# Altium PCB MEA_CLDP.PcbDoc (part 1 of 3) (continued)
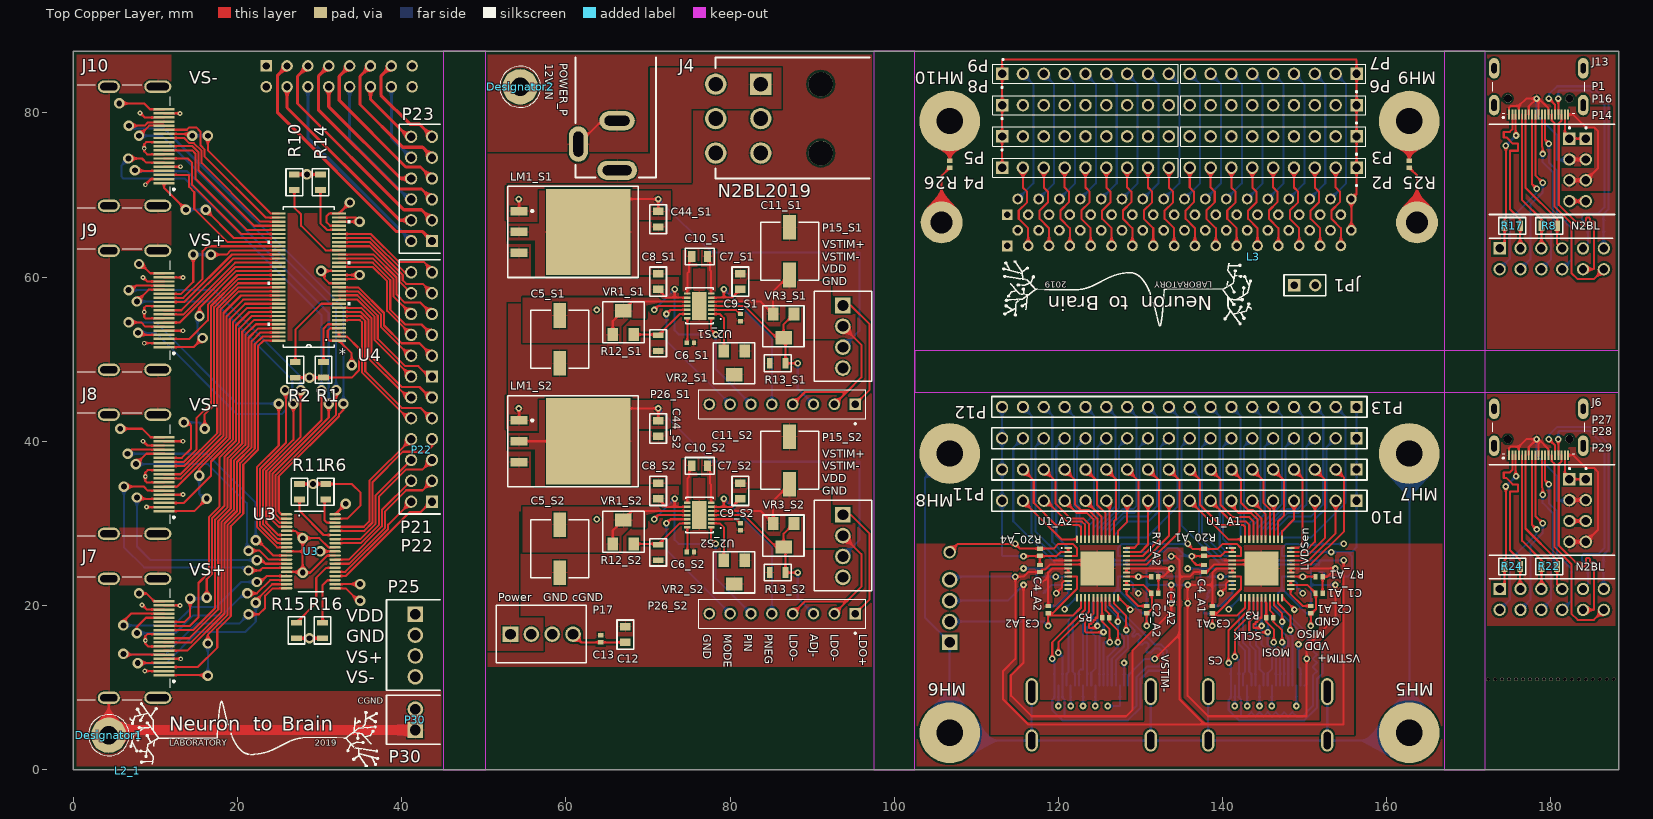
[diagram p0: Top Copper Layer view]
## Components (designator, comment, footprint, x,y, rotation, side; value= is the part's Value field where it differs from the comment) (continued)
POWER_P "PWR2.1MM" POWER2.1MM 66.25,73.003 r90 top
R1 "0" R0805 30.48,49.657 r270 top
R2 "0" R0805 27.051,49.652 r270 top
R3 "100R" rcl_0402i_1005m_most 145.75,18.5 r0 top
R4 "100R" R0805 186.4,66.25 r180 bottom
R5 "100R" rcl_0402i_1005m_most 125.75,18.5 r0 top
R6 "0" R0805 30.734,32.898 r90 top
R7_A1 "0R" rcl_0402i_1005m_most 151.75,23.5 r0 top (schematic designator R7)
R7_A2 "0R" rcl_0402i_1005m_most 131.75,23.5 r0 top (schematic designator R7)
R7_A3 "0R" rcl_0402i_1005m_most 137.75,23.5 r180 bottom (schematic designator R7)
R7_A4 "0R" rcl_0402i_1005m_most 117.75,23.5 r180 bottom (schematic designator R7)
R8 "100R" R0805 180.75,66.25 r180 top
R9 "100R" rcl_0402i_1005m_most 143.75,18.5 r180 bottom
R10 "0" R0805 26.924,70.612 r90 top
R11 "0" R0805 27.559,32.898 r90 top
R12_S1 "100KR" R0805 71.25,51.003 r90 top (schematic designator R12)
R12_S2 "100KR" R0805 71.25,25.503 r90 top (schematic designator R12)
R13_S1 "100KR" R0805 86.75,49.503 r180 top (schematic designator R13)
R13_S2 "100KR" R0805 86.75,24.003 r180 top (schematic designator R13)
R14 "0" R0805 30.099,70.612 r90 top
R15 "0" R0805 27.178,17.902 r270 top
R16 "0" R0805 30.353,17.902 r270 top
R17 "100R" R0805 176.25,66.25 r180 top
R18 "100R" R0805 182.25,66.25 r180 bottom
R19 "100R" rcl_0402i_1005m_most 123.75,18.5 r180 bottom
R20_A1 "0R" rcl_0402i_1005m_most 137.75,26.5 r270 top (schematic designator R20)
R20_A2 "0R" rcl_0402i_1005m_most 131.75,27 r270 bottom (schematic designator R20)
R20_A3 "0R" rcl_0402i_1005m_most 151.75,26.93 r270 bottom (schematic designator R20)
R20_A4 "0R" rcl_0402i_1005m_most 117.75,26.5 r270 top (schematic designator R20)
R21 "100R" R0805 186.4,24.75 r180 bottom
R22 "100R" R0805 180.75,24.75 r180 top
R23 "100R" R0805 182.3,24.75 r180 bottom
R24 "100R" R0805 176.25,24.75 r180 top
R25 "0R" rcl_0402i_1005m_most 162.75,73.753 r270 top
R26 "0R" rcl_0402i_1005m_most 106.75,73.753 r270 top
U1_A1 "Intan Technologies RHS2116 chip" QFN44_7_X_7 144.75,24.5 r0 top (schematic designator U1)
U1_A2 "Intan Technologies RHS2116 chip" QFN44_7_X_7 124.75,24.5 r0 top (schematic designator U1)
U1_A3 "Intan Technologies RHS2116 chip" QFN44_7_X_7 144.75,24.5 r180 bottom (schematic designator U1)
U1_A4 "Intan Technologies RHS2116 chip" QFN44_7_X_7 124.75,24.5 r180 bottom (schematic designator U1)
U2_S1 "Part Number: ltc3260ide" DFN-14_DE 76.25,56.503 r180 top value=Value (schematic designator U2)
U2_S2 "Part Number: ltc3260ide" DFN-14_DE 76.25,31.003 r180 top value=Value (schematic designator U2)
U3 "SN65LVDT388ADBT" DBT0038A_N 28.927,26.583 r0 top value=Value
U4 "Part Number: sn75lvds387_dgg_64" DGG64 28.689,60.004 r180 top locked value=Value
VR1_S1 "Tunable 1M Max" res_var_5turn 65.71,53.003 r0 top (schematic designator VR1)
VR1_S2 "Tunable 1M Max" res_var_5turn 65.71,27.503 r0 top (schematic designator VR1)
VR2_S1 "Tunable 1M Max" res_var_5turn 81.79,51.003 r180 top (schematic designator VR2)
VR2_S2 "Tunable 1M Max" res_var_5turn 81.79,25.503 r180 top (schematic designator VR2)
VR3_S1 "Tunable 1M Max" res_var_5turn 87.79,55.503 r180 top (schematic designator VR3)
VR3_S2 "Tunable 1M Max" res_var_5turn 87.79,30.003 r180 top (schematic designator VR3)

## Footprints (in the part's own frame and the unit in brackets; to place one, negate y for a bottom-side part, rotate by r counter-clockwise, add the part's x,y. Pads: shape width x height; smd on the part's side, far side on the other; paste and mask are expansions set on the pad)
0010897120 [mm] "CONN HEADER VERT 12POS 2.54MM"
  rect 1.5x1.5 hole 1.02: 1(0,0)
  round 1.5 hole 1.02: 2(0,2.54) 3(2.54,0) 4(2.54,2.54) 5(5.08,0) 6(5.08,2.54) 7(7.62,0) 8(7.62,2.54) 9(10.16,0) 10(10.16,2.54) 11(12.7,0) 12(12.7,2.54)
  silkscreen extent -1.5,-1.02 14.25,4, body extent -1.25,-1.25 13.99,3.83, height 8.74
0039301060 [mm]
  rect 2.6x2.6 hole 1.8: 1(0,0)
  round 2.6 hole 1.8: 2(-4.2,0) 3(-8.4,0) 4(0,5.5) 5(-4.2,5.5) 6(-8.4,5.5)
  round 3 hole 3 unplated: M1(0,-7.3) M2(-8.4,-7.3)
  silkscreen extent -11.5,-13.25 3.25,5.5, body extent -11.1,-13.83 3.1,6.1, height 12.4
*CNC_2001-1-2-21-00-BK_2001-1-2-21-00-BK(Primary) [mm]
  rect 0.23x1.2 smd: 1(3.6,1.15) 2(3.2,1.15) 3(2.8,1.15) 4(2.4,1.15) 5(2,1.15) 6(1.6,1.15) 7(1.2,1.15) 8(0.8,1.15) 9(0.4,1.15) 10(0,1.15) 11(-0.4,1.15) 12(-0.8,1.15) 13(-1.2,1.15) 14(-1.6,1.15) 15(-2,1.15) 16(-2.4,1.15) 17(-2.8,1.15) 18(-3.2,1.15) 19(-3.6,1.15)
  round 1 hole 1 unplated: None(-3.75,-0.8) None(3.75,-0.8)
  oval 1.25x2.5 hole 0.65 slot 1.4 at 90 deg: S1(-5.43,0) S2(5.42,0)
  oval 1.25x2.5 hole 0.65 slot 1.2 at 90 deg: S3(-5.43,-4.5) S4(5.42,-4.5)
  silkscreen extent -5.6,-2.8 5.6,1.6
C0805 [mm]
  rect 0.9x1.3 smd: 1(0,0) 2(1.9,0)
  silkscreen extent -0.83,-1.02 2.73,1.02, body extent -0.05,-0.6 1.95,0.6, height 1.46
CAP_EEFK_D [mil] "CAP ALUM 100UF 20% 35V SMD"
  rect 118x62 smd paste+0 mask+0: 1(-114.5,0) 2(114.5,0)
  silkscreen extent -139,-139 139,139, body extent -154,-134 154,134, height 242
CONN_2-5174339-5_2-5174339-5(Primary) [mm] "68 Position D-Type Cap, Male Pins Connector"
  round 1.308 hole 0.8: 1(20.955,0.953) 2(19.685,2.857) 3(18.415,0.953) 4(17.145,2.857) 5(15.875,0.953) 6(14.605,2.857) 7(13.335,0.953) 8(12.065,2.857) 9(10.795,0.953) 10(9.525,2.857) 11(8.255,0.953) 12(6.985,2.857) 13(5.715,0.953) 14(4.445,2.857) 15(3.175,0.953) 16(1.905,2.857) 17(0.635,0.953) 18(-0.635,2.857) 19(-1.905,0.953) 20(-3.175,2.857) 21(-4.445,0.953) 22(-5.715,2.857) 23(-6.985,0.953) 24(-8.255,2.857) 25(-9.525,0.953) 26(-10.795,2.857) 27(-12.065,0.953) 28(-13.335,2.857) 29(-14.605,0.953) 30(-15.875,2.857) 31(-17.145,0.953) 32(-18.415,2.857) 33(-19.685,0.953) 35(20.955,-2.857) 36(19.685,-0.953) 37(18.415,-2.857) 38(17.145,-0.953) 39(15.875,-2.857) 40(14.605,-0.953) 41(13.335,-2.857) 42(12.065,-0.953) 43(10.795,-2.857) 44(9.525,-0.953) 45(8.255,-2.857) 46(6.985,-0.953) 47(5.715,-2.857) 48(4.445,-0.953) 49(3.175,-2.857) 50(1.905,-0.953) 51(0.635,-2.857) 52(-0.635,-0.953) 53(-1.905,-2.857) 54(-3.175,-0.953) 55(-4.445,-2.857) 56(-5.715,-0.953) 57(-6.985,-2.857) 58(-8.255,-0.953) 59(-9.525,-2.857) 60(-10.795,-0.953) 61(-12.065,-2.857) 62(-13.335,-0.953) 63(-14.605,-2.857) 64(-15.875,-0.953) 65(-17.145,-2.857) 66(-18.415,-0.953) 67(-19.685,-2.857)
  rect 1.308x1.308 hole 0.8: 34(-20.955,2.857) 68(-20.955,-0.953)
  round 5.1 hole 2.7: 69(28.955,0) 70(-28.955,0)
  silkscreen extent -31.95,-5.15 31.95,5.85, body extent -31.96,-5.15 31.95,5.15, height 9.3
DBT0038A_N [mm]
  oval 1.4x0.3 smd paste+0 mask+0: 1(-2.95,4.5) 2(-2.95,4) 3(-2.95,3.5) 4(-2.95,3) 5(-2.95,2.5) 6(-2.95,2) 7(-2.95,1.5) 8(-2.95,1) 9(-2.95,0.5) 10(-2.95,0) 11(-2.95,-0.5) 12(-2.95,-1) 13(-2.95,-1.5) 14(-2.95,-2) 15(-2.95,-2.5) 16(-2.95,-3) 17(-2.95,-3.5) 18(-2.95,-4) 19(-2.95,-4.5) 20(2.95,-4.5) 21(2.95,-4) 22(2.95,-3.5) 23(2.95,-3) 24(2.95,-2.5) 25(2.95,-2) 26(2.95,-1.5) 27(2.95,-1) 28(2.95,-0.5) 29(2.95,0) 30(2.95,0.5) 31(2.95,1) 32(2.95,1.5) 33(2.95,2) 34(2.95,2.5) 35(2.95,3) 36(2.95,3.5) 37(2.95,4) 38(2.95,4.5)
  silkscreen extent -1.93,-4.9 1.5,4.9, body extent -3.2,-4.85 3.2,4.85, height 1.13
DFN-14_DE [mm]
  rect 0.805x0.3 smd: 1(-1.452,1.5) 2(-1.452,1) 3(-1.452,0.5) 4(-1.452,0) 5(-1.452,-0.5) 6(-1.452,-1) 7(-1.452,-1.5) 8(1.452,-1.5) 9(1.452,-1) 10(1.452,-0.5) 11(1.452,0) 12(1.452,0.5) 13(1.452,1) 14(1.452,1.5)
  rect 1.8x3.4 smd paste-1.687: 15(0,0)
  silkscreen extent -1.68,-2.18 1.68,2.18, body extent 0,0 0.25,0.25, height 0.25
DGG64 [mil]
  rect 66x11 smd: 1(-144.5,305.12) 2(-144.5,285.43) 3(-144.5,265.75) 4(-144.5,246.06) 5(-144.5,226.38) 6(-144.5,206.69) 7(-144.5,187.01) 8(-144.5,167.32) 9(-144.5,147.64) 10(-144.5,127.95) 11(-144.5,108.27) 12(-144.5,88.58) 13(-144.5,68.9) 14(-144.5,49.21) 15(-144.5,29.53) 16(-144.5,9.84) 17(-144.5,-9.84) 18(-144.5,-29.53) 19(-144.5,-49.21) 20(-144.5,-68.9) 21(-144.5,-88.58) 22(-144.5,-108.27) 23(-144.5,-127.95) 24(-144.5,-147.64) 25(-144.5,-167.32) 26(-144.5,-187.01) 27(-144.5,-206.69) 28(-144.5,-226.38) 29(-144.5,-246.06) 30(-144.5,-265.75) 31(-144.5,-285.43) 32(-144.5,-305.12) 33(144.5,-305.12) 34(144.5,-285.43) 35(144.5,-265.75) 36(144.5,-246.06) 37(144.5,-226.38) 38(144.5,-206.69) 39(144.5,-187.01) 40(144.5,-167.32) 41(144.5,-147.64) 42(144.5,-127.95) 43(144.5,-108.27) 44(144.5,-88.58) 45(144.5,-68.9) 46(144.5,-49.21) 47(144.5,-29.53) 48(144.5,-9.84) 49(144.5,9.84) 50(144.5,29.53) 51(144.5,49.21) 52(144.5,68.9) 53(144.5,88.58) 54(144.5,108.27) 55(144.5,127.95) 56(144.5,147.64) 57(144.5,167.32) 58(144.5,187.01) 59(144.5,206.69) 60(144.5,226.38) 61(144.5,246.06) 62(144.5,265.75) 63(144.5,285.43) 64(144.5,305.12)
  silkscreen extent -198,-336 198,337, body extent -164,-336 164,337, height 47
HDR1X2 [mm] "Connector; Header; 2 Position"
  rect 1.5x1.5 hole 0.9: 1(0,0)
  round 1.5 hole 0.9: 2(2.54,0)
  silkscreen extent -1.27,-1.27 3.81,1.27
LM1085 [mm] "D2-PAK; 3 Leads; Body 14.4 (inc. leads) x 10.4 mm (LxW max)"
  rect 1.05x2.1 smd: 1(0,0) 2(2.54,0) 3(5.08,0)
  rect 10.5x10.3 smd: 2(2.54,8.45)
  silkscreen extent -3.01,-1.4 8.09,14.5, body extent -2.54,-0.87 7.62,14.37, height 4.54
"M2X0.4 Plated Loose Fit" [mm] "Loose fit, plated land pattern for metric M2 (2mm radius) screw by 0.4mm length screw"
  round 4.3 hole 2.3: 1(0,0)
  silkscreen extent -2.5,-2.5 2.5,2.5
MH_7.4MMD_3.2MMD [mm]
  round 7.4 hole 3.2: 1(0,0)
N2BL_LOGO [mm] "Example template footprint"
  silkscreen extent 0.2,0.49 30.61,8.52
OSTVN02A150 [mm] "2 Position Wire to Board Terminal Block Horizontal with Board 0.100\" (2.54mm) Through Hole"
  rect 1.9x1.9 hole 1.3: 1(0,0)
  round 1.9 hole 1.3: 2(2.54,0)
  silkscreen extent -1.75,-3.05 4.25,3.5
OSTVN04A150 [mm] "4 Position Wire to Board Terminal Block Horizontal with Board 0.100\" (2.54mm) Through Hole"
  rect 1.9x1.9 hole 1.3: 1(0,0)
  round 1.9 hole 1.3: 2(2.54,0) 3(5.08,0) 4(7.62,0)
  silkscreen extent -1.75,-3.5 9.25,3.5, body extent -1.47,-3.25 9.09,3.25, height 8.65
PEC04SBAN [mm] "CONN HEADER R/A 4POS 2.54MM"
  rect 1.5x1.5 hole 1.02: 1(0,0)
  round 1.5 hole 1.02: 2(2.54,0) 3(5.08,0) 4(7.62,0)
  silkscreen extent -1.75,-1.25 9.25,3.5, body extent -1.27,-0.38 8.89,9.84, height 3.56
POWER2.1MM [mil]
  oval 92x190 hole 47 slot 138 at 90 deg: 1(0,0)
  oval 170x92 hole 47 slot 120 at 0 deg: 2(126,186.17)
  oval 92x170 hole 47 slot 120 at 90 deg: 3(238.19,0.55)
  silkscreen extent -33,-186 542,200, body extent -25,-178 542,192, height 434
PPPC062LJBN-RC [mm] "CONN HDR 12POS 0.1 GOLD PCB R/A"
  rect 1.5x1.5 hole 1.02: 1(0,0)
  round 1.5 hole 1.02: 2(2.54,0) 3(5.08,0) 4(7.62,0) 5(10.16,0) 6(12.7,0) 7(0,-2.54) 8(2.54,-2.54) 9(5.08,-2.54) 10(7.62,-2.54) 11(10.16,-2.54) 12(12.7,-2.54)
  silkscreen extent -1.25,1.25 13.75,1.25, body extent -1.5,-12.59 14.24,0.25, height 5.08
PPPC181LFBN-RC [mm] "CONN HDR 18POS 0.1 GOLD PCB"
  rect 1.5x1.5 hole 1.02: 1(0,0)
  round 1.5 hole 1.02: 2(2.54,0) 3(5.08,0) 4(7.62,0) 5(10.16,0) 6(12.7,0) 7(15.24,0) 8(17.78,0) 9(20.32,0) 10(22.86,0) 11(25.4,0) 12(27.94,0) 13(30.48,0) 14(33.02,0) 15(35.56,0) 16(38.1,0) 17(40.64,0) 18(43.18,0)
  silkscreen extent -1.27,-1.27 44.45,1.27, body extent -1.5,-1.27 44.72,1.27, height 8.5
PPTC041LGBN-RC [mm] "CONN HDR 4POS 0.1 TIN PCB R/A"
  rect 1.5x1.5 hole 1.02: 1(0,0)
  round 1.5 hole 1.02: 2(2.54,0) 3(5.08,0) 4(7.62,0)
  silkscreen extent -1.75,-9.75 9.25,1.27, body extent -1.56,-10.1 9.1,0.2, height 2.54
QFN44_7_X_7 [mm]
  rect 0.9x0.25 smd: 1(-3.55,2.5) 2(-3.55,2) 3(-3.55,1.5) 4(-3.55,1) 5(-3.55,0.5) 6(-3.55,0) 7(-3.55,-0.5) 8(-3.55,-1) 9(-3.55,-1.5) 10(-3.55,-2) 11(-3.55,-2.5) 23(3.55,-2.5) 24(3.55,-2) 25(3.55,-1.5) 26(3.55,-1) 27(3.55,-0.5) 28(3.55,0) 29(3.55,0.5) 30(3.55,1) 31(3.55,1.5) 32(3.55,2) 33(3.55,2.5)
  rect 0.25x0.9 smd: 12(-2.5,-3.55) 13(-2,-3.55) 14(-1.5,-3.55) 15(-1,-3.55) 16(-0.5,-3.55) 17(0,-3.55) 18(0.5,-3.55) 19(1,-3.55) 20(1.5,-3.55) 21(2,-3.55) 22(2.5,-3.55) 34(2.5,3.55) 35(2,3.55) 36(1.5,3.55) 37(1,3.55) 38(0.5,3.55) 39(0,3.55) 40(-0.5,3.55) 41(-1,3.55) 42(-1.5,3.55) 43(-2,3.55) 44(-2.5,3.55)
  rect 4.1x4.1 smd: CENTER(0,0)
R0805 [mm]
  rect 0.7x1.3 smd: 1(0,0) 2(1.9,0)
  silkscreen extent -0.7,-1.02 2.6,1.02, body extent -0.05,-0.6 1.95,0.6, height 0.71
rcl_0402i_1005m_most [mm] "Chip RCL, 0402 Imperial, 1005 Metric, 2-Leads, Body 1.00x0.5mm, IPC Most Land (Low Density)"
  rect 0.54x0.7 smd: 1(-0.43,0) 2(0.43,0)
  body extent -0.5,-0.25 0.5,0.25, height 0.5
rcl_0402i_1005m_nominal [mm] "Chip RCL, 0402 Imperial, 1005 Metric, 2-Leads, Body 1.00x0.5mm, IPC Nominal Medium Density"
  rect 0.54x0.6 smd: 1(-0.43,0) 2(0.43,0)
  body extent -0.5,-0.25 0.5,0.25, height 0.5
res_var_5turn [mm]
  rect 1.3x1.6 smd: 1(0,0) 3(2.54,0)
  rect 2x1.6 smd: 2(1.27,2.9)
  silkscreen extent -1.21,-1.02 3.82,3.99, body extent -1.1,-0.52 3.7,3.38, height 5.31
TE_3-644456-9 [mil] "Connector Header Through Hole 9 position 0.100\" (2.54mm)"
  rect 60x60 hole 40: 1(-400,0)
  round 60 hole 40: 2(-300,0) 3(-200,0) 4(-100,0) 5(0,0) 6(100,0) 7(200,0) 8(300,0) 9(400,0)
  silkscreen extent -444,-46 444,89, body extent -444,-46 444,46, height 395
TE_5-535541-6 [mil] "CONN RCPT 8POS 0.1 GOLD PCB"
  rect 54.65x54.65 hole 35: 1(-350,0)
  round 54.65 hole 35: 2(-250,0) 3(-150,0) 4(-50,0) 5(50,0) 6(150,0) 7(250,0) 8(350,0)
  silkscreen extent -400,-70 400,98, body extent -400,-70 400,70, height 275
TE_534998-8 [mm] "CONN RCPT 16POS 0.1 GOLD PCB"
  rect 1.398x1.398 hole 0.89: 1(-8.89,-1.27)
  round 1.398 hole 0.89: 2(-8.89,1.27) 3(-6.35,-1.27) 4(-6.35,1.27) 5(-3.81,-1.27) 6(-3.81,1.27) 7(-1.27,-1.27) 8(-1.27,1.27) 9(1.27,-1.27) 10(1.27,1.27) 11(3.81,-1.27) 12(3.81,1.27) 13(6.35,-1.27) 14(6.35,1.27) 15(8.89,-1.27) 16(8.89,1.27)
  silkscreen extent -10.89,-2.51 10.16,2.51, body extent -10.16,-2.51 10.16,2.51, height 6.22
TE_1747981-2_1747981-2(Primary) [mm]
  rect 0.3x2.6 smd: 1(4.5,0.76) 2(4,0.76) 3(3.5,0.76) 4(3,0.76) 5(2.5,0.76) 6(2,0.76) 7(1.5,0.76) 8(1,0.76) 9(0.5,0.76) 10(0,0.76) 11(-0.5,0.76) 12(-1,0.76) 13(-1.5,0.76) 14(-2,0.76) 15(-2.5,0.76) 16(-3,0.76) 17(-3.5,0.76) 18(-4,0.76) 19(-4.5,0.76)
  oval 1.5x3.3 hole 0.9 slot 2.7 at 90 deg: SH1(-7.25,0) SH2(7.25,0)
  oval 1.5x2.7 hole 0.9 slot 2.1 at 90 deg: SH3(-7.25,-5.96) SH4(7.25,-5.96)
  silkscreen extent -7.5,-9 7.5,2.07, body extent -7.5,-10 7.5,2, height 6.28

## Part data
C1_A1 C1_A2 C1_A3 C1_A4 C3_A1 C3_A2 C3_A3 C3_A4 C4_A1 C4_A2 C4_A3 C4_A4 C13: "Capacitor Non-polarized American Symbol", Manufacturer=Yageo, Manuracturer Part Number=CC0402KRX7R8BB104, Package=0402, Supplier Part Number 1=311-2077-1-ND, Voltage Rating=25V, ComponentLink1Description=Datasheet, ComponentLink1URL=http://www.yageo.com/documents/recent/UPY-GPHC_X7R_6.3V-to-50V_18.pdf, Priging 1="1 	0.15000 	$0.15 (CAD)", Stock 1=143,749, Supplier 1=Digikey, Supplier Description 1="CAP CER 0.1UF 25V X7R 0402", Supplier Link 1=https://www.digikey.ca/product-detail/en/yageo/CC0402KRX7R8BB104/311-2077-1-ND/5698948
C2_A1 C2_A2 C2_A3 C2_A4: "Capacitor Non-polarized American Symbol", Case Code=0402, Manufacturer="Murata Electronics North America", Manufacturer Part Number=GRM155R71H103KA88D, Tolerance=10%, Voltage Rating=25V, ComponentLink1Description="Reference Sheet", ComponentLink1URL=https://www.murata.com/~/media/webrenewal/support/library/catalog/products/capacitor/mlcc/c02e.ashx?la=en-us, Pricing 1=Free, Stock 1=8970712, Supplier 1=7PCB/Bittele, Supplier Description 1="CAP CER 0.01uF ±10% 50V X7R 0402", Supplier Link 1=https://parts.7pcb.com/, Supplier Part Number 1=GRM155R71H103KA88D
C5_S1 C5_S2 C11_S1 C11_S2: library part C2012X5R1E106K085AC, "CAP 100UF - UPDATE", Dielectric="Electrolytic Capacitor", Dielectric Material=N/A, ESR (Equivalent Series Resistance)="260mOhm @ 100kHz", Manufacturer="Panasonic Electronic Components", Manufacturer Part Number=EEE-FT1V101AP, Max Operating Temperature=105°C, Min Operating Temperature=-55°C, Package Type="Radial Can, SMT", Ripple Current @ High Frequency="300mA @ 100kHz", Ripple Current @ Low Frequency="195mA @ 120Hz", Supplier Part Number 1=PCE5016CT-ND, Tolerance=20%, Voltage Rating=35V, Capacitance=100uF, ComponentLink1Description=Datasheet, ComponentLink1URL=https://industrial.panasonic.com/cdbs/www-data/pdf/RDE0000/ABA0000C1240.pdf, ComponentLink2Description=NamingScheme, ComponentLink2URL=https://industrial.panasonic.com/cdbs/www-data/pdf/RDE0000/DME0000COL90.pdf, Diam.=6.3mm, Height=6.1mm, Length=6.6mm, Mount="Surface Mount", Packaging="Cut Tape (CT)", Polarization=Polarized, Pricing 1="1=0.86;  10=0.605;  100=0.3984  (CAD)", Stock 1=336,289, Supplier 1=Digi-Key, Supplier Link 1=https://www.digikey.ca/product-detail/en/panasonic-electronic-components/EEE-FT1V101AP/PCE5016CT-ND/2652071, Termination=SMD/SMT, Voltage Rating (DC)=35V, Width=6.6mm
C6_S1 C6_S2 C9_S1 C9_S2: "Capacitor Non-polarized American Symbol", Case Code=0402, Manufacturer="Murata Electronics North America", Manufacturer Part Number=GRM155R71E103KA01D, Supplier Part Number 1=490-1312-1-ND, Tolerance=10%, Voltage Rating=25V, ComponentLink1Description="Reference Sheet", ComponentLink1URL=https://search.murata.co.jp/Ceramy/image/img/A01X/G101/ENG/GRM155R71E103KA01-01.pdf, Pricing 1="1=0.14;  10=0.042;  100=0.0188;  500=0.01346;  1000=0.01058;  3500=0.00961;  5000=0.00884  (CAD)", Stock 1=4961, Supplier 1=Digikey, Supplier Link 1=https://www.digikey.ca/products/en?keywords=490-1312-1-ND
C7_S1 C7_S2 C8_S1 C8_S2 C12: library part C2012X5R1E106K085AC, "CAP 10UF", Case/Package=0805, Case Code (Metric)=2012, Dielectric=X5R, Dielectric Material=Ceramic, Manufacturer="Samsung Electro-Mechanics", Manufacturer Part Number=CL21A106KAYNNNE, Max Operating Temperature=85°C, Min Operating Temperature=-55°C, Supplier Part Number 1=1276-2891-1-ND, Tolerance=10%, Voltage Rating=25V, Capacitance=10uF, Case Code (Imperial)=0805, ComponentLink1Description=Specifications, ComponentLink1URL=http://www.samsungsem.com/kr/support/product-search/mlcc/__icsFiles/afieldfile/2018/06/20/CL21A106KAYNNNE.pdf, ComponentLink2Description=Characteristics, ComponentLink2URL=https://media.digikey.com/pdf/Data%20Sheets/Samsung%20PDFs/CL21A106KAYNNNE_Char.pdf, ComponentLink3Description=Datasheet, ComponentLink3URL=https://media.digikey.com/pdf/Data%20Sheets/Samsung%20PDFs/CL_Series_MLCC_ds.pdf, Lead Free="Lead Free", Length=0.079inch, Mount="Surface Mount", Packaging="Tape and Reel", Pricing 1="1=0.39;  10=0.264;  100=0.13340;  500=0.09128;  1000=0.08075  (CAD)", Stock 1=843, Supplier 1=Digi-Key, Supplier Link 1=https://www.digikey.ca/product-detail/en/samsung-electro-mechanics/CL21A106KAYNNNE/1276-2891-1-ND/3890977, Termination=SMD/SMT, Thickness=1.25mm, Voltage Rating (DC)=25V, Width=0.049inch
C10_S1 C10_S2 C44_S1 C44_S2: library part C2012X5R1E105K125AA, "CAP 1UF", Case/Package=0805, Case Code (Metric)=2012, Dielectric=X5R, Dielectric Material=Ceramic, Manufacturer=TDK, Max Operating Temperature=85°C, Min Operating Temperature=-55°C, Package Quantity=2000, Supplier Part Number 1=445-1419-1-ND, Tolerance=10%, Voltage=25V, Capacitance=1uF, Case Code (Imperial)=0805, ComponentLink1Description=https://datasheet.ciiva.com/11787/0900766b80c1bb00-11787608.pdf, ComponentLink1URL=https://datasheet.ciiva.com/11787/0900766b80c1bb00-11787608.pdf, ComponentLink2Description=https://datasheet.ciiva.com/24218/c2012x5r1e105k125aa-264807-24218920.pdf, ComponentLink2URL=https://datasheet.ciiva.com/24218/c2012x5r1e105k125aa-264807-24218920.pdf, ComponentLink3Description=https://datasheet.ciiva.com/16449/e412-c-16449595.pdf, ComponentLink3URL=https://datasheet.ciiva.com/16449/e412-c-16449595.pdf, ComponentLink4Description=https://datasheet.ciiva.com/28602/1744655-28602171.pdf, ComponentLink4URL=https://datasheet.ciiva.com/28602/1744655-28602171.pdf, ComponentLink5Description=https://datasheet.ciiva.com/15192/getdatasheetpartid-726707-15192140.pdf, ComponentLink5URL=https://datasheet.ciiva.com/15192/getdatasheetpartid-726707-15192140.pdf, Composition=Ceramic, Depth=1.25mm, Height=1.25mm, Lead Free="Lead Free", Length=2mm, Manufacturer Part Number=C2012X5R1E105K125AA, Mount="Surface Mount", Number of Pins=2, Packaging="Tape and Reel", Pricing 1="1=0.21, 10=0.146, 100=0.0688, 500=0.0482, 1000=0.0399 (USD)", Radiation Hardening=No, REACH SVHC="No SVHC", Stock 1=517560, Supplier 1=Digi-Key, Supplier Link 1=https://www.digikey.ca/products/en?keywords=445-1419-1-ND, Termination=SMD/SMT, Thickness=0.057inch, Voltage Rating=25V, Voltage Rating (DC)=25V, Weight=0.000194oz, Width=0.049inch
J1: "Receptacle Header Assemby", Manufacturer="TE Connectivity", ManufacturerPartNumber=2-5174339-5, Supplier Part Number 1=A121355-ND, ComponentLink1Description=Datasheet, ComponentLink1URL=https://www.te.com/commerce/DocumentDelivery/DDEController?Action=srchrtrv&DocNm=5174339&DocType=Customer+Drawing&DocLang=English, Manufacturer Link=https://www.te.com/usa-en/product-2-5174339-5.html#pdp-docs-features, Pricing1="1=29.61;  10=26.727;  25=25.60760;  50=24.007  (CAD)", Stock1=1335, Supplier 1=Digi-Key, Supplier Link 1=https://www.digikey.ca/product-detail/en/te-connectivity-amp-connectors/2-5174339-5/A121355-ND/1835651
J2 J3 J7 J8 J9 J10: "Conn HDMI RCP 19 POS 0.5mm Solder ST SMD 19 Terminal 1 Port T/R", Manufacturer="TE Connectivity", Package=None, Supplier Part Number 1=A130924CT-ND, Availability=Unavailable, ComponentLink1Description=Datasheet, ComponentLink1URL=https://www.te.com/commerce/DocumentDelivery/DDEController?Action=srchrtrv&DocNm=1747981&DocType=Customer+Drawing&DocLang=English, Detailed Description="HDMI Receptacle Connector 19 Position Panel Mount; Surface Mount, Right Angle; Through Hole", EU_RoHS_Compliance=Compliant, Manufacturer Part Number=1747981-2, MF="TE Connectivity", MP=1747981-2, price=None, Pricing1="1  6.31000  $6.31  10  6.04800  $60.48  25  5.54400  $138.60  50  5.29240  $264.62  100  5.04030  $504.03 (CAD)", SnapEDA_Link=https://www.snapeda.com/parts/1747981-2/TE%20Connectivity%20AMP%20Connectors/view-part/?ref=snap, Stock1=1,426, Supplier 1=Digikey, Supplier Link 1=https://www.digikey.ca/product-detail/en/te-connectivity-amp-connectors/1747981-2/A130924CT-ND/8602669, TE_purchase_URL=https://www.te.com/usa-en/product-1747981-2.html?te_bu=Cor&te_type=disp&te_campaign=seda_glo_cor-seda-global-disp-prtnr-fy19-seda-model-bom-cta_sma-317_1&elqCampaignId=32493
J4: "CONN HEADER R/A 6POS 4.2MM", Manufacturer=Molex, Supplier Part Number 1=WM1353-ND, ComponentLink1Description=Datasheet, ComponentLink1URL=https://www.molex.com/pdm_docs/sd/039301060_sd.pdf, Manufacturer Part Number=0039301060, Pricing1="1  1.41000  $1.41  10  1.25000  $12.50  100  1.07790  $107.79  500  0.88194  $440.97  1,000  0.78394  $783.94  5,000  0.68595  $3,429.73  10,000  0.65165  $6,516.48 (CAD)", Stock1=8,844, Supplier1=Digikey, Supplier Link 1=https://www.digikey.ca/product-detail/en/molex/0039301060/WM1353-ND/561080
J6 J13: "Mini Hdmi 19p Female Smt", Manufacturer="CNC Tech", Supplier Part Number 1=1175-1704-1-ND, ComponentLink1Description=Datasheet, ComponentLink1URL=http://cnctech.us/pdfs/2001-1-2-21-00-BK.pdf, Digi-Key_Part_Number=1175-1704-1-ND, Digi-Key_Purchase_URL=https://www.digikey.com/product-detail/en/cnc-tech/2001-1-2-21-00-BK/1175-1704-1-ND/4867013?utm_source=snapeda&utm_medium=aggregator&utm_campaign=symbol, Manufacturer Part Number=2001-1-2-21-00-BK, Pricing1="Price Break  Unit Price  Extended Price  1  2.69000  $2.69  10  2.43900  $24.39  25  2.28960  $57.24  50  2.19000  $109.50  100  2.09050  $209.05  250  1.89140  $472.85  500  1.74208  $871.04 (CAD)", SnapEDA_Link=https://www.snapeda.com/parts/2001-1-2-21-00-BK/CNC%20Tech/view-part/?ref=snap, Stock1=3,276, Supplier 1=Digikey, Supplier Link 1=https://www.digikey.ca/product-detail/en/cnc-tech/2001-1-2-21-00-BK/1175-1704-1-ND/4867013
JP1: "01X02 generic terminal connector"
L1 L2 L2_1 L3: library part "Neuron To Brain Lab Logo"
LM1_S1 LM1_S2: library part LM1085, "LM1085ISX-3.3/NOPB", Case/Package=TO-263, Dropout Voltage=1.3V, Manufacturer="TI National Semiconductor", Max Input Voltage=27V, Max Operating Temperature=125°C, Max Output Current=3A, Min Current Limit=3.2A, Min Input Voltage=2.6V, Min Operating Temperature=-40°C, Package Quantity=500, Quiescent Current=10mA, Supplier Part Number 1=LM1085ISX-3.3/NOPBCT-ND, ComponentLink1Description=https://datasheet.ciiva.com/15111/getdatasheetpartid-55637-15111252.pdf, ComponentLink1URL=https://datasheet.ciiva.com/15111/getdatasheetpartid-55637-15111252.pdf, ComponentLink2Description=https://datasheet.ciiva.com/26167/lm1085-26167653.pdf, ComponentLink2URL=https://datasheet.ciiva.com/26167/lm1085-26167653.pdf, ComponentLink3Description=https://datasheet.ciiva.com/3223/lm1085-3223480.pdf, ComponentLink3URL=https://datasheet.ciiva.com/3223/lm1085-3223480.pdf, ComponentLink4Description=https://datasheet.ciiva.com/6582/lm1085-6582715.pdf, ComponentLink4URL=https://datasheet.ciiva.com/6582/lm1085-6582715.pdf, ComponentLink5Description=https://datasheet.ciiva.com/34302/1278979-34302139.pdf, ComponentLink5URL=https://datasheet.ciiva.com/34302/1278979-34302139.pdf, ComponentLink6Description=https://datasheet.ciiva.com/6582/lm1085-6582716.pdf, ComponentLink6URL=https://datasheet.ciiva.com/6582/lm1085-6582716.pdf, ComponentLink7Description=https://datasheet.ciiva.com/6582/lm1085-6582718.pdf, ComponentLink7URL=https://datasheet.ciiva.com/6582/lm1085-6582718.pdf, ComponentLink8Description=https://datasheet.ciiva.com/41457/001013599-da-01-en-ic-reg-l-lm1085isx-3-3-nopb-to-263-3-tid-41457356.pdf, ComponentLink8URL=https://datasheet.ciiva.com/41457/001013599-da-01-en-ic-reg-l-lm1085isx-3-3-nopb-to-263-3-tid-41457356.pdf, Contact Plating=Tin,Matte, Height=4.57mm, Lead Free="Contains Lead", Length=10.16mm, Manufacturer Part Number=LM1085ISX-3.3/NOPB, Mount="Surface Mount", Nominal Output Voltage=3.3V, Number of Outputs=1, Number of Pins=3, Number of Regulators=1, Output Current=3A, Output Voltage=3.3V, Packaging="Tape and Reel", Polarity=Positive, Pricing 1="1=2.03, 10=1.826, 100=1.4677 (USD)", Radiation Hardening=No, REACH SVHC="No SVHC", Stock 1=18956, Supplier 1=Digi-Key, Supplier Link 1=https://www.digikey.ca/products/en?keywords=LM1085ISX-3.3%2FNOPBCT-ND, Width=8.64mm